# Allegro board LAY-29364_B.brd (continued)
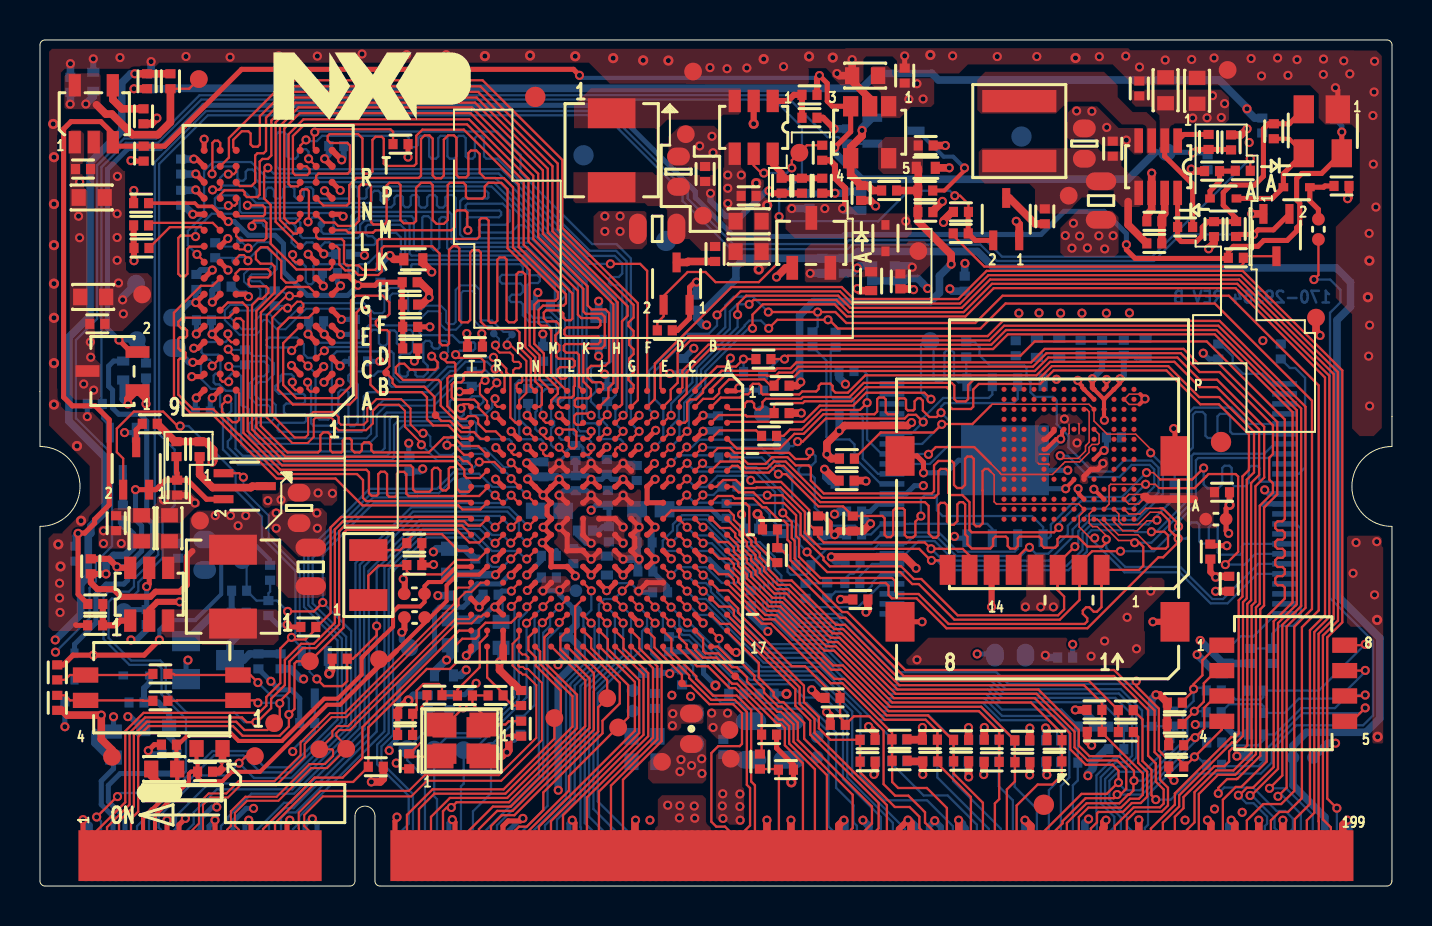
[diagram p0: board, top side]
## Routing (per net, layer and track width the routed paths; a pad name or vN(x,y) marks a point on that pad's centre or on a via; arc(x,y) is an arc through that point) (continued)
DRAM_DATA3: length 25.2
  TOP w0.114: U101.U7 21.56,19.85 21.44,19.74 21,19.74 20.85,19.88 20.85,20.85 20.73,20.97 20.52,20.97 20.44,20.89 20.44,19.94 20.3,19.8 20.13,19.8 20.02,19.91 20.02,20.79 19.88,20.93 19.71,20.93 19.6,20.82 19.6,19.85 19.49,19.74 18.77,19.74 18.65,19.85 18.65,20.94 18.54,21.05 12.11,21.05 10.39,22.77 10.39,28.95 10.13,29.21 9.39,29.21 U201.F8
DRAM_DATA4: length 25.4
  TOP w0.114: U201.F7 9.43,28.44 7.12,28.44 6.92,28.24 6.92,28.06 7.06,27.92 7.24,27.92 7.35,27.8 7.35,27.53 7.28,27.46 6.99,27.46 6.92,27.39 6.92,26.91 7.02,26.81 7.16,26.81 7.28,26.69 7.28,26.45 7.23,26.4 6.98,26.4 6.92,26.33 6.92,24.6 7.64,23.87 8.66,23.87 9.94,22.59 9.95,22.59 11.93,20.62 15.85,20.62 16.15,20.32 16.15,19.42 16.31,19.27 21.48,19.27 U101.U8
DRAM_DATA5: length 25.4
  TOP w0.114: U201.H8 8.63,30.04 8.05,30.04 6.7,28.7 6.7,24.51 7.56,23.65 8.58,23.65 11.83,20.4 14.78,20.4 16.12,19.05 20.92,19.05 21.12,18.85 22.02,18.85 22.35,19.19 U101.T8
DRAM_DATA6: length 25.3
  TOP w0.114: U201.G2 13.45,29.98 12.32,29.98 11.04,28.71 11.04,23.03 12.38,21.7 13.9,21.7 14.02,21.81 14.02,22.56 14.17,22.71 14.41,22.71 14.51,22.6 14.51,21.81 14.63,21.7 15.07,21.7 15.14,21.77 15.14,22.29 15.26,22.41 15.49,22.41 15.59,22.31 15.59,21.84 15.73,21.7 15.98,21.7 16.1,21.81 16.1,22.09 16.21,22.21 16.45,22.21 16.57,22.09 16.57,21.81 16.68,21.7 19.44,21.7 20.19,22.45 20.71,22.45 21.14,22.02 21.92,22.02 22.36,21.58 U101.T5
DRAM_DATA7: length 25.3
  TOP w0.114: U201.F2 13.43,28.44 12.44,28.44 11.9,27.9 11.9,24.85 12.65,24.1 15.48,24.1 15.82,24.45 15.82,28.7 16.07,28.95 16.36,28.95 16.52,28.79 16.52,25.09 16.9,24.72 19.09,24.72 19.35,24.46 19.35,23.37 19.66,23.05 20.42,23.05 21.08,22.39 U101.U4
DRAM_DATA8: length 24
  TOP w0.114: v1(21.06,23.91) 21.06,24 21.17,24.12 21.43,24.12 U101.U2 ; U201.D7 9.56,27.22 9.4,27.39 v1(9.4,27.63)
  BOTTOM w0.114: v1(9.4,27.63) 9.4,27.35 9.28,27.23 8.19,27.23 8.08,27.12 8.08,26.71 8.19,26.6 8.91,26.6 9.02,26.48 9.02,25.7 8.97,25.65 8.78,25.65 8.68,25.55 8.68,25.21 8.79,25.11 8.97,25.11 9.29,24.79 9.66,24.79 9.78,24.67 9.78,21.89 10.14,21.53 17.35,21.53 17.49,21.67 17.49,23.37 17.6,23.48 21.07,23.48 21.19,23.6 21.19,23.78 v1(21.06,23.91)
DRAM_DATA9: length 23.9
  TOP w0.114: U101.U3 21.56,23.06 21.44,22.94 21.14,22.94 20.04,24.04 20.04,25.22 19.92,25.33 18.15,25.33 17.79,25.69 17.79,25.96 17.97,26.14 18.22,26.14 18.52,25.84 19.77,25.84 19.88,25.96 19.88,26.22 v1(19.58,26.52) ; U201.C3 v1(13.4,26.03)
  BOTTOM w0.114: v1(13.4,26.03) 13.78,25.65 13.78,23.54 13.97,23.35 14.41,23.35 14.6,23.53 14.6,26.52 14.84,26.76 17.57,26.76 17.68,26.65 17.68,25.54 17.99,25.23 19.22,25.23 19.92,25.92 19.92,26.19 v1(19.58,26.52)
DRAM_DATA10: length 24.1
  TOP w0.114: U201.C8 8.62,26.03 v1(8.61,26.03) ; v1(20.35,22.06) 20.72,22.06 21.2,21.58 U101.U5
  BOTTOM w0.114: v1(8.61,26.03) 8.61,26.22 8.49,26.35 8.22,26.35 8.05,26.17 8.05,25.39 8.56,24.88 8.89,24.88 9,24.77 9,24.01 9.15,23.86 9.15,21.85 9.9,21.1 17.81,21.1 17.92,21.22 17.92,22.8 18.17,23.05 21.34,23.05 21.5,22.9 21.5,22.61 21.38,22.5 20.53,22.5 20.35,22.32 v1(20.35,22.06)
DRAM_DATA11: length 24.2
  TOP w0.114: v1(14.22,26.79) 14.18,26.79 U201.C2 ; U101.R4 22.79,22.76 22.29,22.76 21.9,23.15 21.9,23.39 21.77,23.52 21.42,23.52 21.28,23.38 21.01,23.38 20.37,24.01 20.37,25.41 20.49,25.53 20.65,25.53 20.77,25.64 20.77,26.14 20.7,26.21 20.35,26.21 20.2,26.36 v1(20.2,26.54)
  BOTTOM w0.114: v1(14.22,26.79) 14.24,26.79 14.43,26.98 16.39,26.98 16.51,27.09 16.51,27.71 16.64,27.84 16.83,27.84 16.95,27.73 16.95,27.17 17.07,27.04 17.27,27.04 17.38,27.16 17.38,27.69 17.5,27.81 17.73,27.81 17.84,27.69 17.84,27.17 17.97,27.04 18.13,27.04 18.26,27.16 18.26,27.73 18.37,27.84 18.53,27.84 18.65,27.73 18.65,26.8 18.5,26.65 18.08,26.65 17.96,26.53 17.96,25.63 18.09,25.5 18.31,25.5 18.39,25.58 18.39,25.73 18.5,25.84 18.66,25.84 18.78,25.73 18.78,25.58 18.86,25.5 19.18,25.5 19.39,25.7 19.39,26.04 19.17,26.26 19.17,27.17 19.28,27.29 19.47,27.29 19.59,27.17 19.59,27.02 19.7,26.9 19.91,26.9 19.99,26.98 19.99,27.2 20.08,27.29 20.29,27.29 20.4,27.17 20.4,26.74 v1(20.2,26.54)
DRAM_DATA12: length 24.1
  TOP w0.114: v1(23.58,21.96) 23.58,21.7 23.69,21.58 U101.P5 ; v1(9.39,24.38) 9.1,24.09 9.1,23.74 9.62,23.22 9.84,23.22 9.95,23.33 9.95,24.68 U201.A7
  BOTTOM w0.114: v1(23.58,21.96) 23.58,22.25 23.45,22.37 21.99,22.37 21.81,22.55 21.81,23.15 21.7,23.27 17.9,23.27 17.7,23.07 17.7,21.43 17.59,21.32 10.04,21.32 9.39,21.97 9.39,22.26 9.56,22.43 9.56,23.03 9.39,23.2 9.39,23.6 9.56,23.77 9.56,24.16 9.39,24.33 v1(9.39,24.38)
DRAM_DATA13: length 24.1
  TOP w0.114: v1(13.38,25.22) 13.38,24.88 13.51,24.75 13.74,24.75 U201.A2 ; v1(22.68,26.46) 22.75,26.46 23.31,25.9 23.31,25.71 23.52,25.5 23.52,23.45 23.79,23.19 U101.P3
  BOTTOM w0.114: v1(13.38,25.22) 13.56,25.04 13.56,23.16 13.67,23.04 14.75,23.04 14.92,23.21 14.92,24.7 15.05,24.83 15.29,24.83 15.42,24.7 15.42,23.13 15.53,23.02 15.71,23.02 15.89,23.2 15.89,25.09 15.81,25.17 15.54,25.17 15.42,25.3 15.42,25.55 15.62,25.75 16.07,25.75 16.29,25.54 16.68,25.54 16.9,25.75 17.21,25.75 17.47,25.49 17.47,25.11 17.58,24.99 19.38,24.99 20.38,25.99 20.73,25.99 21.2,26.46 v1(22.68,26.46)
DRAM_DATA14: length 24.1
  TOP w0.114: v1(9.43,25.24) 9.12,25.24 9.01,25.36 U201.B8 ; U101.R2 22.87,23.98 22.75,24.1 v1(22.75,24.39)
  BOTTOM w0.114: v1(9.43,25.24) 9.43,25.49 9.6,25.66 9.93,25.66 10.06,25.52 10.06,24.09 10.17,23.98 10.33,23.98 10.44,23.86 10.44,23.7 10.37,23.63 10.22,23.63 10.06,23.47 10.06,22.07 10.38,21.75 17.07,21.75 17.23,21.92 17.23,23.59 17.34,23.7 20.4,23.7 20.48,23.79 20.48,24.25 20.6,24.36 20.88,24.36 20.89,24.36 21.46,24.36 21.61,24.51 22.06,24.51 22.17,24.4 22.17,24.24 21.91,23.98 21.63,23.98 21.53,23.88 21.53,23.66 21.61,23.57 22.22,23.57 22.52,23.87 22.52,23.87 22.62,23.96 22.62,24.25 v1(22.75,24.39)
DRAM_DATA15: length 24
  TOP w0.114: v1(22.76,25.88) 22.77,25.88 22.91,25.88 23.1,25.69 23.1,25.62 23.23,25.49 23.23,24.85 U101.R1 ; v1(12.61,25.22) 12.61,24.98 12.77,24.82 U201.A3
  BOTTOM w0.114: v1(22.76,25.88) 22.71,25.88 22.35,26.24 21.28,26.24 20.82,25.78 20.52,25.78 19.46,24.72 16.4,24.72 16.19,24.51 16.19,22.85 16.08,22.74 11.97,22.74 11.89,22.82 11.89,23.05 12.03,23.19 13.22,23.19 13.31,23.28 13.31,23.52 13.23,23.6 12.31,23.6 12.2,23.72 12.2,24.03 12.31,24.15 13.17,24.15 13.25,24.23 13.25,24.55 13.17,24.63 11.95,24.63 11.77,24.82 11.77,25.02 12.04,25.29 12.04,25.53 12.12,25.62 12.57,25.62 12.68,25.5 12.68,25.28 v1(12.61,25.22)
DRAM_DQM0: length 25.2
  TOP w0.114: U101.T7 22.36,19.92 21.96,19.52 18.88,19.52 18.88,19.52 18.43,19.52 18.32,19.63 18.32,20.62 18.2,20.73 17.96,20.73 17.85,20.62 17.85,19.57 17.76,19.48 17.46,19.48 17.35,19.59 17.35,20.62 17.23,20.74 17.04,20.74 16.91,20.61 16.91,19.62 16.84,19.54 16.57,19.54 16.45,19.66 16.45,20.71 16.32,20.84 12.02,20.84 10.17,22.68 10.17,28.26 10.03,28.41 9.81,28.41 9.7,28.29 9.7,28.13 U201.E7
DRAM_DQM1: length 23.9
  TOP w0.114: U101.T3 22.36,23.51 21.92,23.95 21.92,24.14 21.71,24.35 20.7,24.35 20.59,24.46 20.59,25.1 20.7,25.21 21.06,25.21 21.18,25.33 21.18,25.62 21.27,25.71 22.1,25.71 22.21,25.83 22.21,26.26 22.04,26.44 20.95,26.44 v1(20.78,26.6) ; U201.D3 v1(12.58,26.8)
  BOTTOM w0.114: v1(12.58,26.8) 12.43,26.95 11.45,26.95 11.33,27.07 11.33,27.33 11.45,27.45 12.86,27.45 13.2,27.11 13.2,26.62 13.38,26.44 13.65,26.44 13.77,26.55 13.77,27.08 13.88,27.19 16.13,27.19 16.24,27.31 16.24,27.86 16.44,28.06 18.85,28.06 18.98,27.93 18.98,27.68 19.1,27.57 20.62,27.57 20.98,27.21 21.69,27.21 21.76,27.14 21.76,26.9 21.66,26.79 20.98,26.79 v1(20.78,26.6)
DRAM_ODT0: length 35.3
  TOP w0.114: U101.N1 24.54,25 24.54,26.39 23.98,26.95 23.98,27.71 23.81,27.88 22.41,27.88 22.04,28.25 22.04,31.71 21.93,31.82 21.63,31.82 21.51,31.71 21.51,28.33 21.4,28.21 21.08,28.21 20.97,28.33 20.97,31.91 20.85,32.02 20.64,32.02 20.45,31.84 20.45,27.16 20.36,27.07 20.11,27.07 19.98,27.2 19.98,31.66 19.62,32.02 17.2,32.02 17.09,31.91 17.09,30.76 16.91,30.58 15.92,30.58 15.69,30.81 15.27,30.81 14.97,31.11 14.97,31.88 14.82,32.02 U201.K1
DRAM_ODT1: length 35
  TOP w0.114: v1(11.4,35.95) 11.21,35.76 11.21,34.42 11.54,34.09 11.54,32.15 12.83,30.86 14.49,30.86 14.61,30.98 U201.J1 ; U101.F1 30.36,30.79 30.01,31.14 v1(28.52,31.14)
  BOTTOM w0.114: v1(11.4,35.95) 11.68,35.66 22.94,35.66 27.46,31.14 v1(28.52,31.14)
DRAM_PG: length 5
  TOP w0.114: v1(37.59,35.94) 37.59,36.32 TP710.1 38.35,37.08 R760.2 ; v1(36.2,35.69) 36.07,35.69 35.69,36.07 U706.5
  BOTTOM w0.114: v1(37.59,35.94) 37.34,35.69 v1(36.2,35.69)
DRAM_RAS_B: length 35
  TOP w0.114: v1(25.16,21.98) 25.16,21.65 25.27,21.53 25.51,21.53 U101.M5 ; U201.J3 12.77,31.22 12.63,31.36 v1(12.63,31.6)
  BOTTOM w0.114: v1(12.63,31.6) 12.63,31.32 12.83,31.12 13.17,31.12 13.29,31.01 13.29,30.25 13.42,30.12 13.58,30.12 13.67,30.22 13.67,31.04 13.76,31.12 15.34,31.12 15.42,31.04 15.42,30.75 15.55,30.62 15.77,30.62 15.88,30.74 15.88,31.02 15.99,31.12 16.33,31.12 16.41,31.2 16.44,31.2 17.09,31.85 17.09,32.58 17.2,32.69 17.81,32.69 18.05,32.46 18.05,30.92 18.21,30.75 18.45,30.75 18.56,30.87 18.56,31.07 18.62,31.12 24.02,31.12 24.14,31 24.14,30.66 24.07,30.59 23.1,30.59 22.99,30.48 22.99,30.27 23.1,30.16 24.03,30.16 24.14,30.04 24.14,29.73 24.01,29.6 23.6,29.6 23.48,29.48 23.48,29.32 23.56,29.23 24.03,29.23 24.14,29.12 24.14,28.57 24.48,28.23 25.28,28.23 25.6,27.91 25.6,25.43 25.49,25.32 23.96,25.32 23.75,25.11 23.75,23.23 23.96,23.02 23.96,22.48 24.08,22.36 25.04,22.36 25.16,22.25 v1(25.16,21.98)
DRAM_RESET_B: length 34
  TOP w0.114: U101.G4 29.58,22.39 v1(29.96,22.76) ; R201.2 17.65,37.75 17.53,37.88 13.89,37.88 v1(13.74,37.73) 13.69,37.68 13.69,36.94 U201.T2
  BOTTOM w0.114: v1(29.96,22.76) 29.55,23.17 29.55,31.41 28.83,32.13 27.61,32.13 24.03,35.71 24.03,36.6 22.86,37.77 13.77,37.77 v1(13.74,37.73)
DRAM_SDBA0: length 35.3
  TOP w0.114: U201.M2 14.22,33.21 14.73,33.21 14.9,33.04 15.7,33.04 15.96,33.3 15.96,35.01 16.07,35.12 16.47,35.12 16.55,35.04 16.55,33.23 16.67,33.12 17.22,33.12 17.33,33.23 17.33,35.06 17.47,35.2 17.91,35.2 18.03,35.08 18.03,33.34 18.19,33.17 18.69,33.17 18.8,33.29 18.8,34.95 19.06,35.2 19.52,35.2 19.64,35.08 19.64,33.34 19.83,33.14 20.19,33.14 20.39,33.34 20.39,35.08 20.5,35.2 21.17,35.2 21.3,35.08 21.3,34.5 21.39,34.41 22.12,34.41 22.24,34.52 22.24,35.02 22.42,35.2 23.07,35.2 23.38,34.89 23.38,31.93 24.48,30.82 24.48,27.06 24.98,26.56 24.98,25.36 U101.M1
DRAM_SDBA1: length 35
  TOP w0.114: U101.H1 28.89,24.91 28.89,29.21 25.39,32.7 25.39,35.91 21.83,39.47 12.72,39.47 11.57,38.32 11.57,36.57 11.39,36.39 11.12,36.39 10.98,36.26 10.98,34.6 10.87,34.48 10.35,34.48 10.23,34.6 10.23,34.73 10.14,34.82 9.23,34.82 9.01,34.6 U201.N8
DRAM_SDBA2: length 35.4
  TOP w0.114: U201.M3 13.01,33.43 12.76,33.18 12.46,33.18 12.21,33.43 12.21,37.91 12.98,38.68 21.53,38.68 24.67,35.55 24.67,32.4 27.17,29.89 27.17,28.76 27.28,28.64 28.09,28.64 28.24,28.5 28.24,27.06 28.09,26.91 27.28,26.91 27.17,26.8 27.17,25.25 27.55,24.87 27.55,24.55 27.41,24.41 26.86,24.41 26.74,24.3 26.74,24.06 26.82,23.98 27.15,23.98 U101.K2
DRAM_SDCKE0: length 36.1
  TOP w0.114: U101.M3 25.29,23.19 25.16,23.32 v1(25.16,23.56) ; v1(7.78,32.51) 7.73,32.55 7.03,32.55 6.92,32.44 6.92,30.64 7.03,30.53 7.26,30.53 7.37,30.64 7.37,31.89 7.48,32 8.19,32 U201.K9
  BOTTOM w0.114: v1(7.78,32.51) 7.78,32.84 8.59,33.65 9.82,33.65 10.06,33.42 12.81,33.42 13.02,33.2 13.02,32.55 13.13,32.43 15.9,32.43 16.01,32.55 16.01,33.1 16.22,33.31 18.27,33.31 18.48,33.1 18.48,31.65 18.58,31.55 24.21,31.55 25.75,30.01 25.75,29.3 R203.1 25.52,28.77 26.04,28.25 26.04,24.99 25.92,24.87 25.27,24.87 25.06,24.66 25.06,23.66 v1(25.16,23.56)
DRAM_SDCKE1: length 35.5
  TOP w0.114: U101.J3 v1(28.37,23.59) ; U201.J9 8.21,31.26 v1(7.85,31.62)
  BOTTOM w0.114: v1(7.85,31.62) 7.39,32.07 7.39,32.79 8.2,33.6 8.2,35.79 8.65,36.23 10.56,36.23 11.35,35.45 22.76,35.45 28.8,29.41 28.8,24.58 28.52,24.3 28.41,24.3 R202.1 28.37,24.24 v1(28.37,23.59)
DRAM_SDCLK0_N: length 37.5
  TOP w0.102: U201.K7 9.97,31.86 10.34,31.86 v1(10.41,31.93) ; U101.P2 23.96,24.32 24.32,24.68 24.32,26.28 23.52,27.08 v1(23.36,27.08)
  BOTTOM w0.102: v1(23.36,27.08) 23.36,27.35 TP205.1 23.47,27.73 23.18,27.73 22.6,28.31 22.1,28.31 22,28.41 22,29.84 21.77,30.06 21.01,30.06 20.79,29.84 20.79,28.23 20.68,28.13 20.41,28.13 20.31,28.23 20.31,28.78 20.04,29.05 19.28,29.05 18.91,28.67 18.51,28.67 18.41,28.77 18.41,29.67 18.14,29.94 17.51,29.94 17.22,29.64 17.22,28.77 17.12,28.67 16.71,28.67 16.2,29.17 13.18,29.17 12.16,28.15 11.96,28.15 11.5,28.61 11.07,28.61 10.79,28.33 10.79,27.97 10.68,27.87 10.1,27.87 9.52,28.44 9.52,28.7 9.62,28.8 10.7,28.8 11.3,29.41 11.3,29.97 11,30.27 10.58,30.27 10.48,30.37 10.48,30.51 10.58,30.61 11.58,30.61 11.84,30.88 11.84,31.83 11.45,32.22 10.87,32.22 10.58,31.93 v1(10.41,31.93) 10.4,31.93 TP206.1 9.68,32.01 9.25,32.01 9.06,32.2 R206.2
DRAM_SDCLK0_P: length 37.4
  TOP w0.102: U201.J7 9.81,31.41 9.98,31.58 10.2,31.58 10.4,31.38 v1(10.4,31.3) ; v1(22.77,27.07) 22.77,26.9 22.98,26.7 23.5,26.7 23.64,26.56 23.64,26.3 23.71,26.23 23.94,26.23 24.04,26.13 24.04,26 23.96,25.92 23.77,25.92 23.66,25.82 23.66,25.66 23.74,25.58 24.02,25.58 24.12,25.48 24.12,25.26 24.04,25.18 23.94,25.18 23.83,25.08 23.83,24.91 U101.P1
  BOTTOM w0.102: R206.1 9.61,31.45 TP203.1 9.93,31.48 10.21,31.48 v1(10.4,31.3) 10.4,31.35 10.69,31.64 10.69,31.65 10.99,31.94 11.33,31.94 11.56,31.71 11.56,31 11.46,30.89 10.46,30.89 10.2,30.63 10.2,30.25 10.46,29.99 10.89,29.99 11.02,29.86 11.02,29.52 10.58,29.08 9.51,29.08 9.24,28.82 9.24,28.33 9.98,27.59 10.8,27.59 11.07,27.85 11.07,28.21 11.19,28.33 11.38,28.33 11.85,27.87 12.27,27.87 13.3,28.89 16.09,28.89 16.59,28.39 17.24,28.39 17.5,28.66 17.5,29.53 17.63,29.66 18.03,29.66 18.13,29.55 18.13,28.66 18.4,28.39 19.02,28.39 19.4,28.77 19.93,28.77 20.03,28.67 20.03,28.11 20.3,27.85 20.8,27.85 21.06,28.11 21.06,29.68 21.17,29.78 21.62,29.78 21.72,29.68 21.72,28.3 21.98,28.03 22.59,28.03 22.69,27.93 TP201.1 22.95,27.39 22.95,27.25 v1(22.77,27.07)
DRAM_SDQS0_N: length 26.1
  TOP w0.102: v1(19.07,22.09) 18.98,22.17 18.98,22.26 18.25,22.99 18.25,23.79 17.94,24.09 16.94,24.09 16.65,23.8 16.65,23.15 16.31,22.81 14.93,22.81 14.66,23.08 14.66,23.35 14.56,23.45 13.79,23.45 13.69,23.35 13.69,22.48 13.38,22.17 12.62,22.17 11.34,23.45 11.34,28.56 12.31,29.53 v1(12.47,29.53) 12.91,29.53 U201.G3
  TOP w0.114: v1(23.56,20.39) 23.96,19.99 U101.P7
  BOTTOM w0.102: C227.2 12.08,29.79 v1(12.47,29.53) ; v1(23.56,20.39) 23.56,20.45 23.32,20.68 23.08,20.68 22.13,21.63 21.71,21.63 21.38,21.3 C229.2 19.85,21.3 v1(19.07,22.09)
DRAM_SDQS0_P: length 25.9
  TOP w0.102: U201.F3 13.17,28.98 13.17,29.13 13.05,29.25 12.86,29.25 12.54,28.93 v1(12.38,28.93) 12.11,28.93 11.62,28.44 11.62,23.57 12.73,22.45 13.27,22.45 13.41,22.59 13.41,23.46 13.67,23.73 14.67,23.73 14.94,23.46 14.94,23.2 15.05,23.09 16.19,23.09 16.37,23.27 16.37,23.91 16.83,24.37 18.06,24.37 18.53,23.9 18.53,23.1 18.97,22.66 v1(19.16,22.66)
  TOP w0.114: v1(23.56,21.18) 23.56,21.18 U101.P6
  BOTTOM w0.102: v1(12.38,28.93) 12.27,29.04 C227.1 ; v1(23.56,21.18) 23.56,21.11 23.41,20.96 23.19,20.96 22.25,21.91 21.43,21.91 C229.1 21,22.05 20.86,21.91 20.86,21.83 20.61,21.58 19.97,21.58 19.52,22.03 19.52,22.49 19.35,22.66 v1(19.16,22.66)
DRAM_SDQS1_N: length 24
  TOP w0.102: U201.B7 9.44,25.99 v1(9.44,26.01) ; v1(22.26,25.31) 22.26,25.31 22.16,25.31 22,25.14 22,24.63 22.36,24.27 U101.T2
  BOTTOM w0.102: v1(9.44,26.01) 10.17,26.01 C228.2 10.42,26.25 11.22,26.25 11.42,26.05 11.42,25.74 11.19,25.51 10.84,25.51 10.47,25.15 10.47,24.47 10.87,24.07 11.41,24.07 11.51,23.97 11.51,23.58 11.41,23.48 10.8,23.48 10.46,23.15 10.46,22.5 10.84,22.13 16.44,22.13 16.84,22.52 16.84,23.59 17.3,24.05 19.7,24.05 20.83,25.18 21.42,25.18 C230.2 21.88,25.01 22.17,25.31 v1(22.26,25.31)
DRAM_SDQS1_P: length 24
  TOP w0.102: v1(22.84,25.19) 22.44,24.79 U101.T1 ; U201.C7 9.41,26.82 v1(9.41,26.87)
  BOTTOM w0.102: v1(22.84,25.19) 22.84,25.26 22.31,25.8 21.62,25.8 C230.1 21.49,25.76 21.19,25.46 20.72,25.46 19.58,24.33 17.18,24.33 16.56,23.7 16.56,22.64 16.33,22.41 10.95,22.41 10.74,22.62 10.74,23.04 10.91,23.2 11.52,23.2 11.79,23.47 11.79,24.08 11.52,24.35 10.99,24.35 10.75,24.59 10.75,25.03 10.95,25.23 11.31,25.23 11.7,25.62 11.7,26.16 11.33,26.53 10.66,26.53 10.35,26.84 C228.1 9.44,26.84 v1(9.41,26.87)
DRAM_SDWE_B: length 35
  TOP w0.114: U201.L3 12.84,32.66 12.68,32.66 12,33.34 12,38.04 12.93,38.97 21.6,38.97 24.91,35.65 24.91,32.49 27.38,30.01 27.38,29.06 27.59,28.86 28.28,28.86 28.45,28.68 28.45,26.23 28.26,26.04 27.55,26.04 27.38,25.87 27.38,25.45 27.61,25.22 28.04,25.22 28.16,25.1 28.16,24.9 28.04,24.79 U101.J1
DRAM_VREF: length 21.1
  TOP w0.178: U201.M8 8.61,34.02 7.91,34.02 7.75,34.18 C203.1
  TOP w0.254: U101.P4 23.93,22.39 v1(23.56,22.76) ; v1(9.42,33.26) 9.37,33.26 U201.M8 ; U201.H1 14.71,30.53 15.44,30.53 v1(15.89,30.07) 16.76,30.07 16.91,30.22 C222.2 18.11,29.13 R207.2 R208.1 18.14,27.98 C224.1
  BOTTOM w0.254: v1(9.42,33.26) 9.72,33.26 10.41,32.57 11.75,32.57 12.18,32.15 12.18,30.76 13.37,29.56 15.39,29.56 v1(15.89,30.07)
DRAM_ZQ0: length 3.8
  TOP w0.114: U201.L8 8.64,33.19 5.56,33.19 R204.2
DRAM_ZQ1: length 3.3
  TOP w0.114: R209.1 6.49,32.98 8.05,32.98 U201.L9
ECSPI4_MISO: length 5.3
  TOP w0.114: P801.105 36.95,5.8 C416.1 36.9,5.85 R410.2
ECSPI4_MOSI: length 15.9
  TOP w0.114: U101.B15 34.02,13.12 34.5,13.12 37.77,9.85 37.77,9.02 38.51,8.28 38.51,7.58 41.94,4.16 41.94,2.89 41.75,2.7 P801.121
ECSPI4_SCLK: length 14.6
  TOP w0.114: U101.A16 34.36,12.75 35.94,11.17 35.94,10.44 36.69,9.69 36.69,9.52 36.99,9.21 37.17,9.21 38.21,8.16 38.21,7.37 41.6,3.98 41.6,3.13 41.15,2.68 P801.119
ECSPI4_SS0: length 14.4
  TOP w0.114: U101.D16 31.96,12.46 32.34,12.08 32.34,11.93 33.05,11.22 33.52,11.22 34.61,10.13 34.85,10.13 36.86,8.12 37.04,8.12 37.25,7.91 37.25,7.04 38.15,6.14 P801.109
EMMC_VDDIM: length 5.2
  TOP w0.076: 55.19,19.6 55.3,19.49 54.94,19.12 54.45,19.12 U301.C2 54.45,19.6 55.19,19.6 ; 55.19,19.6 55.18,19.61
  TOP w0.381: 55.21,19.49 55.3,19.49 55.42,19.37 57.72,19.37
ENET1_CRS_DV: length 13.9
  TOP w0.114: U101.E16 31.57,12.37 31.57,11.74 32.81,10.5 32.81,10.37 33.65,9.53 34.83,9.53 35.56,8.81 35.56,5.23 35.75,5.04 P801.101
ENET1_NINT: length 36.8
  TOP w0.114: v1(24.33,19.59) 24.73,19.19 U101.N8
  BOTTOM w0.114: P801.12 5.45,3.29 8.7,6.54 10.17,6.54 11.02,5.69 12.55,5.69 15.09,8.23 15.09,12.38 13.42,14.06 13.42,16.51 16.57,19.66 19.94,19.66 20.92,20.64 21.96,20.64 22.62,19.98 23.94,19.98 v1(24.33,19.59)
ENET1_RXD0: length 16
  TOP w0.114: U101.F16 30.73,12.42 30.73,11.94 31.3,11.37 32.1,10.57 TP402.1 32.22,10.02 32.55,10.02 33.47,9.1 34.65,9.1 35.1,8.65 35.1,7.12 34.99,7 33.92,7 33.57,6.66 33.57,3.22 33.82,2.97 34.25,2.97 34.55,2.68 P801.97
ENET1_RXD1: length 13.1
  TOP w0.114: P801.99 35.15,2.68 35.51,3.04 35.51,4.9 35.34,5.07 35.34,8.72 34.74,9.32 33.56,9.32 32.46,10.42 32.46,10.54 31.16,11.85 U101.E17
ENET1_RXER: length 19
  TOP w0.114: U101.D15 v1(32.37,13.17)
  BOTTOM w0.114: P801.126 43.25,2.87 40.61,5.5 40.61,8.74 38.82,10.53 35.6,10.53 35.17,10.96 34.7,10.96 32.48,13.17 v1(32.37,13.17)
ENET1_TX_CLK: length 12.2
  BOTTOM w0.114: R409.2 35.96,9.63 C417.2 35.96,9.37 36.17,9.16 38.33,9.16 39.81,7.69 39.81,4.92 40.68,4.04 40.68,3.18 40.85,3.01 P801.118
ENET1_TXD0: length 18.9
  TOP w0.114: v1(31.56,13.16) 31.16,13.56 U101.E15
  BOTTOM w0.114: v1(31.56,13.16) 31.75,12.97 31.75,12.94 32.12,12.57 32.48,12.57 34.56,10.48 34.94,10.48 35.31,10.1 37.53,10.1 38.19,9.43 39.23,9.43 40.15,8.51 40.15,5.35 42.05,3.46 P801.122
ENET1_TXD1: length 20
  TOP w0.114: v1(31.56,13.96) 31.16,14.36 U101.E14
  BOTTOM w0.114: P801.124 42.65,3.16 40.37,5.44 40.37,8.68 38.73,10.32 35.51,10.32 35.08,10.74 34.61,10.74 32.57,12.78 32.21,12.78 31.97,13.03 31.97,13.55 v1(31.56,13.96)
ENET1_TXEN: length 19.2
  TOP w0.114: U101.F15 30.36,13.56 v1(30.76,13.16)
  BOTTOM w0.114: v1(30.76,13.16) 30.57,12.97 30.57,11.63 30.96,11.23 32.44,11.23 32.66,11 32.66,10.57 34.05,9.18 35.01,9.18 35.31,8.88 38.26,8.88 39.43,7.71 39.43,2.98 39.65,2.76 P801.114
ENET2_CRS_DV: length 14
  TOP w0.114: U101.B17 33.88,11.98 34.7,11.17 35.08,11.17 35.72,10.53 35.72,10.35 36.21,9.87 36.21,9.69 36.91,8.99 37.09,8.99 37.89,8.18 37.89,7.31 40.64,4.57 40.64,2.9 40.55,2.82 P801.117
ENET2_NINT: length 24.2
  TOP w0.114: v1(24.34,16.37) U101.N11
  BOTTOM w0.114: P801.42 18.05,2.73 18.43,3.11 18.43,4.52 16.86,6.09 16.86,7.07 17.44,7.65 17.44,15.86 19.24,17.66 21.71,17.66 22.6,16.77 23.89,16.77 24.29,16.37 v1(24.34,16.37)
ENET2_RXD0: length 13.5
  TOP w0.114: P801.111 38.75,5.85 37.46,7.13 37.46,8 37.13,8.33 36.95,8.33 34.78,10.5 TP403.1 34.59,10.68 34.58,10.68 33.82,11.43 33.14,11.43 32.76,11.81 U101.C17
ENET2_RXD1: length 14.6
  TOP w0.114: U101.C16 33.16,12.39 33.16,11.76 33.27,11.65 33.91,11.65 34.61,10.96 34.84,10.96 35.35,10.44 35.35,10.24 36.87,8.72 37.05,8.72 37.68,8.09 37.68,7.22 39.35,5.55 P801.113
ENET2_TXD0: length 15.4
  TOP w0.114: P801.123 42.35,4.05 38.73,7.67 38.73,8.37 37.98,9.11 37.98,9.94 34.36,13.57 U101.A15
ENET_MDC: length 15.1
  TOP w0.114: P801.53 21.35,2.68 22.65,3.98 23.54,3.98 27.48,7.91 27.48,10.39 26.02,11.85 26.02,12.45 U101.L16
ENET_MDIO: length 13.6
  TOP w0.114: P801.61 23.75,2.77 23.95,2.97 24.34,2.97 25.17,3.8 25.17,4.69 28.13,7.65 28.13,8.28 28.99,9.14 28.99,10.17 27.18,11.98 U101.K17
GPIO_0: length 15.1
  TOP w0.114: U101.K13 v1(27.57,14.77)
  BOTTOM w0.114: P801.64 24.65,2.74 26.3,4.4 26.3,10.21 27.24,11.15 27.24,12.93 27.17,13 27.17,13.42 27.57,13.82 v1(27.57,14.77)
GPIO_1: length 13
  TOP w0.114: U101.L15 v1(25.97,13.19)
  BOTTOM w0.114: v1(25.97,13.19) 25.97,12.96 25.38,12.38 25.38,4.01 24.05,2.68 P801.62
GPIO_2: length 14.3
  TOP w0.114: v1(25.96,13.96) 26.36,14.36 U101.L14
  BOTTOM w0.114: v1(25.96,13.96) 25.51,13.51 25.51,13.02 25.16,12.68 25.16,5.35 22.85,3.04 P801.58
GPIO_3: length 13.9
  TOP w0.114: U101.L17 27.7,10.65 27.7,7.83 23.63,3.76 22.86,3.76 21.95,2.85 P801.55
GPIO_4: length 16.8
  TOP w0.114: U101.M16 25.22,12.45 25.22,11.21 26.85,9.58 26.85,7.9 23.36,4.41 20.5,4.41 19.55,3.46 P801.47
GPIO_5: length 108.8
  TOP w0.114: U101.M17 25.58,11.98 27.26,10.3 27.26,8 23.45,4.19 20.83,4.19 v1(20.57,3.93) 20.34,3.93 20.15,3.74 P801.49
  POWER w0.114: v1(0.77,11.71) 1.23,11.25 1.23,8.77 4.16,5.84 8.22,5.84 8.91,5.16 13.55,5.16 14.24,5.84 16.7,5.84 17.55,4.99 19.58,4.99 20.57,4.01 v1(20.57,3.93)
  BOTTOM w0.114: Q703.2 41.61,37.15 R725.1 40.25,37.15 39.92,37.49 39.38,37.49 37.29,39.58 7.98,39.58 5.81,37.41 4.2,37.41 2.85,36.07 2.85,28.39 1.8,27.33 1.8,23.41 3.08,22.13 3.09,22.13 3.6,21.62 3.6,17.01 2.79,16.21 2.79,15.24 2.48,14.92 2.48,13.41 v1(0.77,11.71)
GPIO_9: length 13.5
  TOP w0.114: v1(25.12,13.18) 25.15,13.18 U101.M15
  BOTTOM w0.114: P801.56 22.25,2.74 24.95,5.44 24.95,13.01 v1(25.12,13.18)
GPIO_DVFS: length 43.2
  TOP w0.114: v1(13.84,10.36) 14.2,10.01 15.11,10.01 15.36,10.26 R715.1 15.65,11.38 15.82,11.55 15.83,11.55 16.83,12.55 v1(16.83,13.01) ; Q702.2 9.97,20.66 v1(10.17,20.46) ; U101.P10 v1(23.54,17.17)
  BOTTOM w0.102: v1(10.17,20.46) 10.17,19.8 11.43,18.54 11.43,17.42 12.99,15.87 12.99,12.58 13.48,12.09 13.48,10.73 v1(13.84,10.36)
  BOTTOM w0.114: v1(23.54,17.17) 23.13,17.57 22.6,17.57 22.08,18.09 19.06,18.09 16.83,15.87 v1(16.83,13.01) 16.83,7.73 12.79,3.68 12.33,3.68 12.05,3.41 P801.34
HDMI_INT: length 13.3
  TOP w0.114: U101.K15 27.16,13.56 v1(27.56,13.16)
  BOTTOM w0.114: v1(27.56,13.16) 27.73,12.99 27.73,11.33 26.52,10.12 26.52,4.31 25.25,3.04 P801.66
I2C1_SCL: length 12
  TOP w0.114: U101.G17 29.58,11.98 30.65,10.91 30.65,7.43 27.95,4.73 P801.75
I2C1_SDA: length 12.8
  TOP w0.114: P801.77 28.55,5.03 30.87,7.34 30.87,11 29.97,11.9 29.97,12.37 U101.G16
I2C2_SCL: length 11.6
  TOP w0.114: U101.F17 31.08,11.26 31.08,7.25 29.15,5.32 P801.79
I2C2_SDA: length 15.5
  TOP w0.114: v1(29.11,14.77) 29.53,15.19 U101.G13
  BOTTOM w0.114: P801.68 25.85,3.32 26.73,4.21 26.73,10.03 27.95,11.24 27.95,14.09 28.21,14.36 28.71,14.36 v1(29.11,14.77)
JTAG_MOD: length 20
  TOP w0.114: P801.33 11.75,3.14 13.82,5.21 15.66,5.21 R507.1 16.42,7.94 19.34,10.87 20.5,10.87 20.79,11.15 20.79,12.05 21.12,12.38 21.78,12.38 21.94,12.53 21.94,12.84 22.28,13.18 23.55,13.18 U101.P15
JTAG_NTRST: length 16
  TOP w0.114: U101.N14 v1(24.35,13.97)
  BOTTOM w0.114: P801.48 19.85,4.35 19.71,4.49 TP502.1 19.72,6.83 20.32,7.43 22.01,7.43 23.94,9.36 23.94,13.32 24.35,13.72 v1(24.35,13.97)
JTAG_TCK: length 14.6
  TOP w0.114: U101.M14 v1(25.15,13.98)
  BOTTOM w0.114: v1(25.15,13.98) 24.73,13.56 24.73,9.06 R503.1 23.85,8.35 22.55,7.05 TP505.1 22.55,4.64 21.65,3.74 P801.54
JTAG_TDI: length 17.3
  TOP w0.114: U101.N16 24.42,12.45 24.42,11.81 24.79,11.45 24.79,11.03 26.04,9.78 26.04,8.73 TP503.1 25.72,7.38 23.18,4.84 19.63,4.84 18.35,3.56 P801.43
JTAG_TDO: length 13.9
  TOP w0.114: U101.N15 v1(24.33,13.15)
  BOTTOM w0.114: v1(24.33,13.15) 24.33,9.44 21.69,6.8 TP506.1 21.18,5.12 21.05,4.99 P801.52
JTAG_TMS: length 17.3
  TOP w0.114: U101.P14 23.62,14.05 23.62,14.05 v1(23.57,14)
  BOTTOM w0.114: v1(23.57,14) 23.61,14 23.73,13.88 23.73,9.45 21.93,7.65 19.16,7.65 TP504.1 18.36,6.3 19.25,5.41 P801.46